# Altium PCB RockerBox_1_SiC780A_Rev02.PcbDoc (part 4 of 4) (continued)
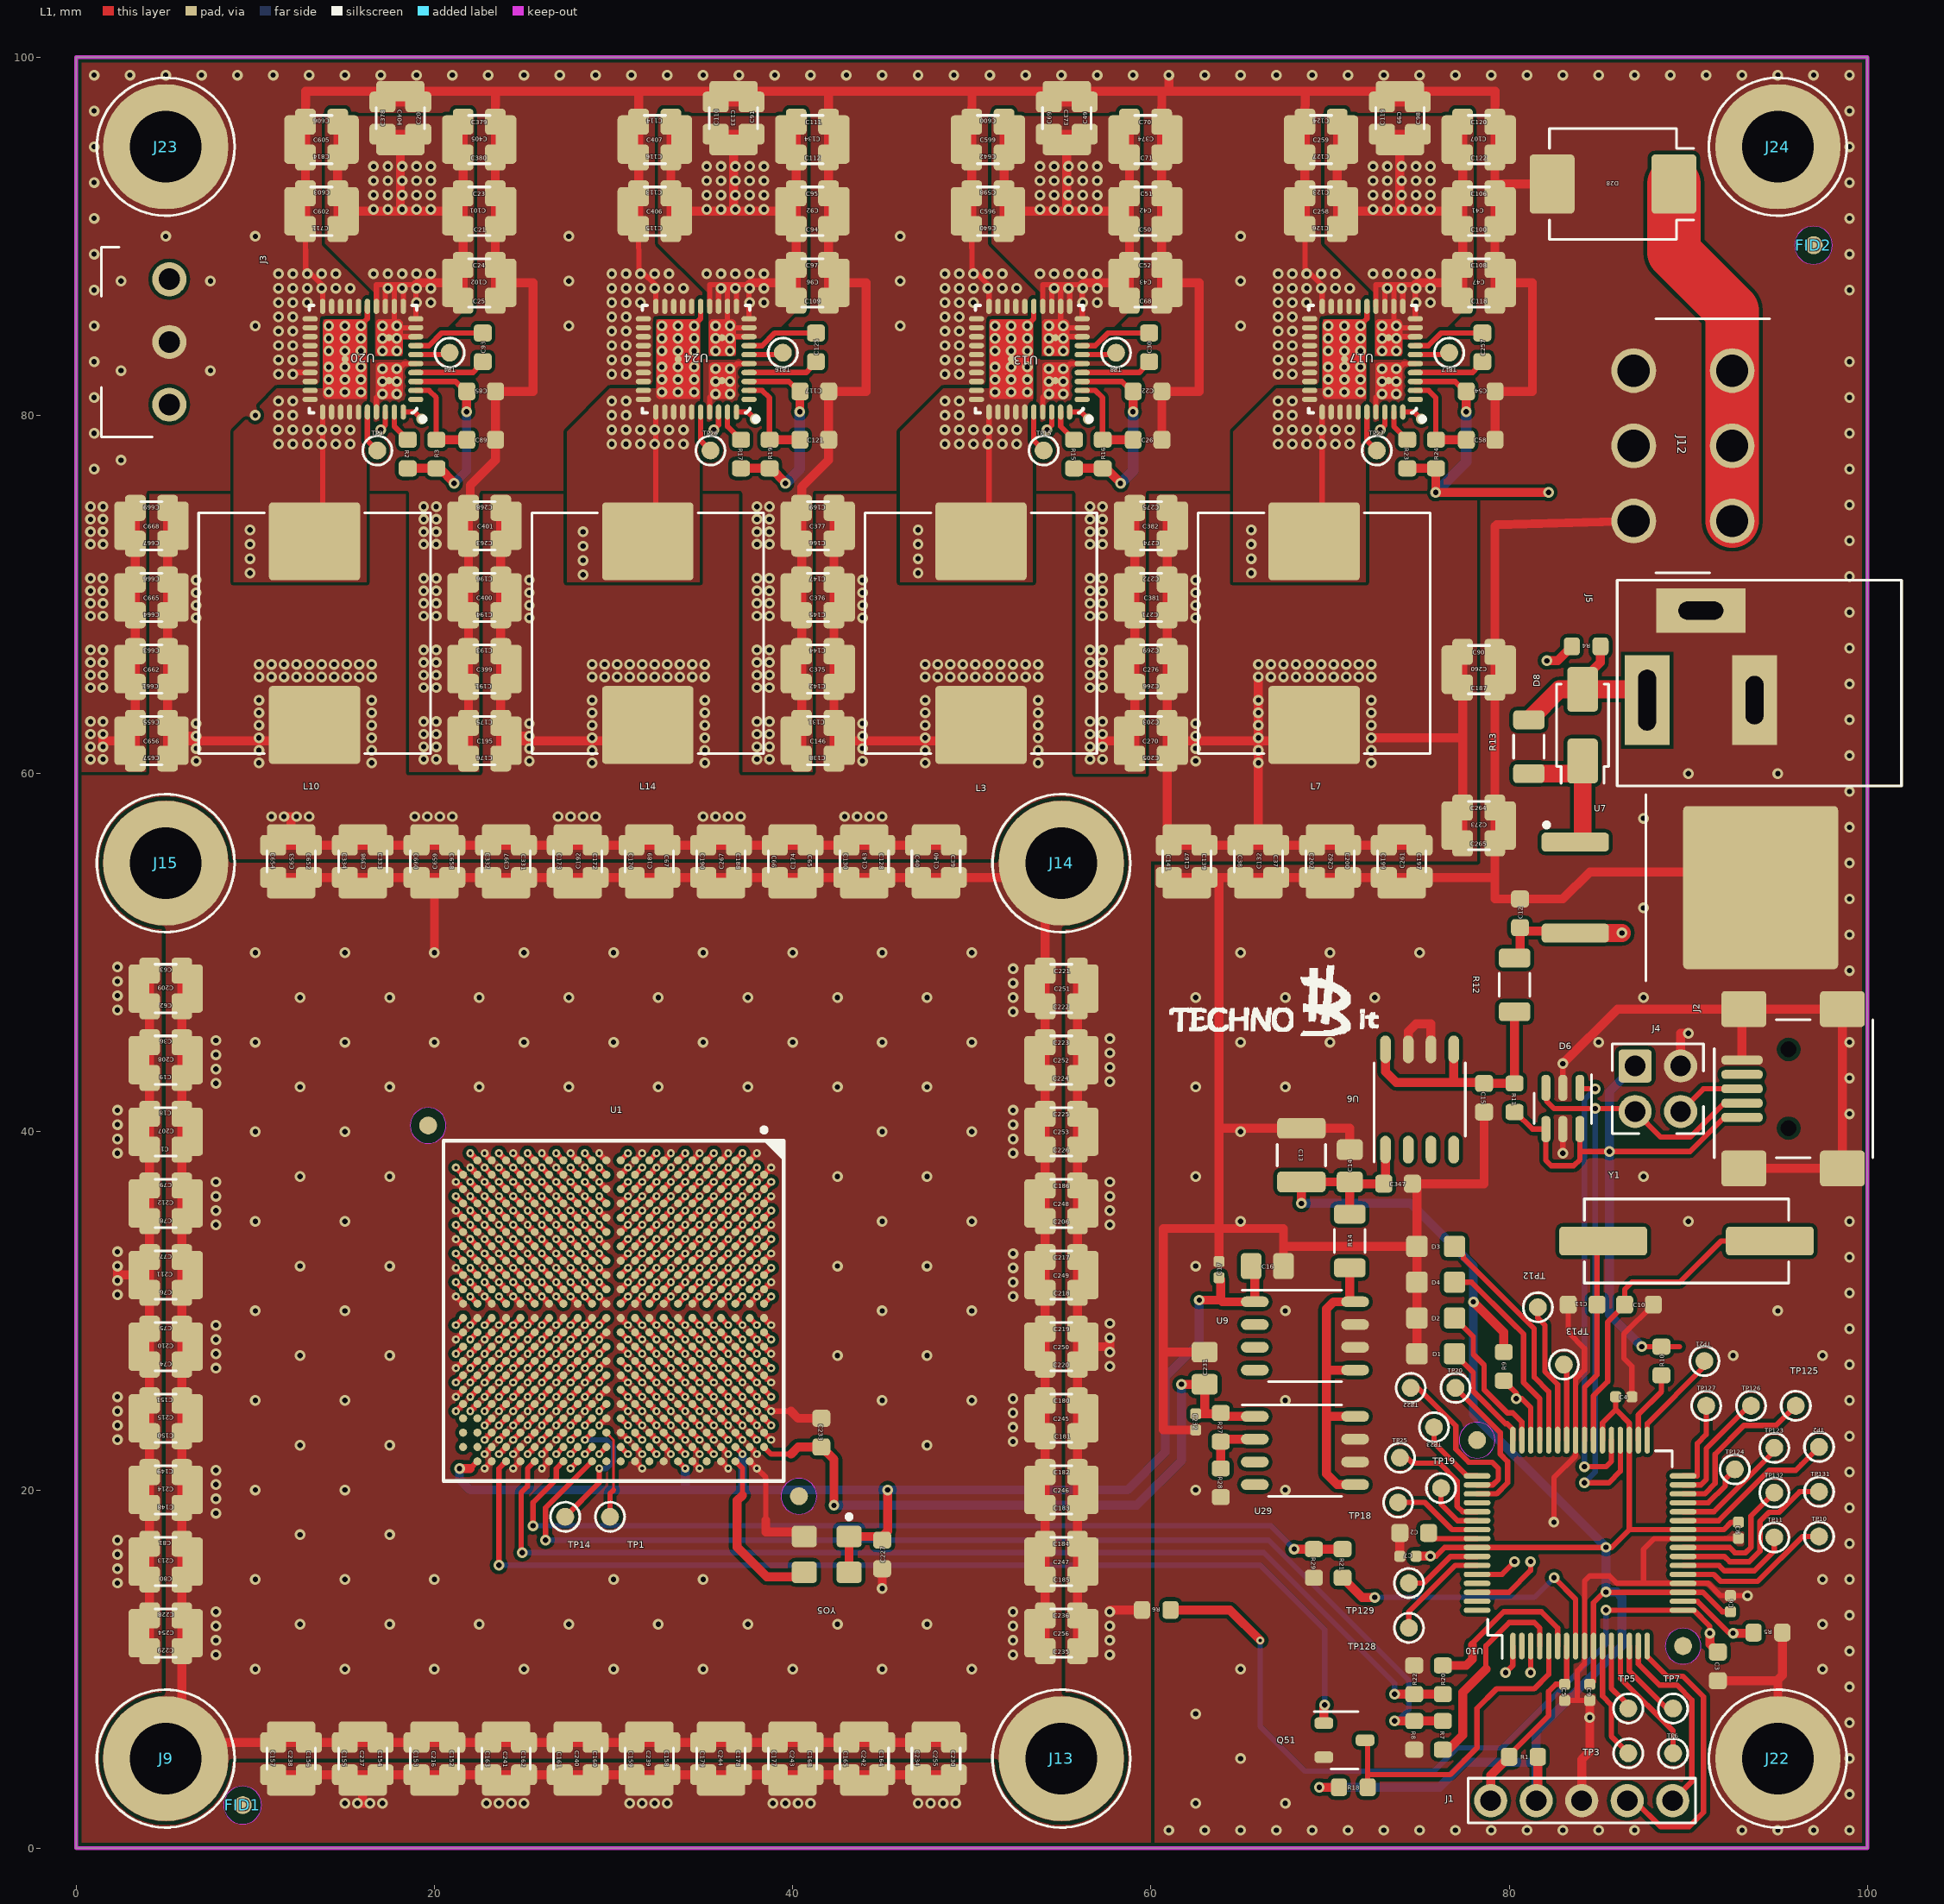
[diagram p0: L1 view]
## Nets (pads, with @x,y where several pads share a name; then routed paths per layer and width w, separated by ;. In a path a pad name is that pad's centre, name@x,y a point inside that pad or via, vN(x,y) a via of type N, cw(c..) or ccw(c..) an arc to the next point about the centre after c; other vN are vias at no path point) (continued)
  other v1: 61,1 63,1 65,1 67,1 69,1 71,1 73,1 75,1 77,1 79,1 81,1 83,1 85,1 87,1 93,1 95,1 97,1 99,1 62.5,2.5 67.5,2.5 99,3 65,5 99,5 99,7 62.5,7.5 99,9 10,10 15,10 20,10 25,10 30,10 35,10 40,10 45,10 50,10 65,10 97.5,10 7.8,10.8 52.3,10.8 99,11 7.8,11.6 52.3,11.6 7.8,12.4 52.3,12.4 12.5,12.5 17.5,12.5 22.5,12.5 27.5,12.5 32.5,12.5 37.5,12.5 42.5,12.5 47.5,12.5 97.5,12.5 99,13 7.8,13.2 52.3,13.2 10,15 15,15 20,15 30,15 35,15 97.5,15 99,15 99,17 12.5,17.5 17.5,17.5 7.8,18.7 99,19 7.8,19.5 10,20 15,20 62.5,20 67.5,20 7.8,20.3 99,21 7.8,21.1 12.5,22.5 17.5,22.5 47.5,22.5 52.3,22.7 99,23 52.3,23.5 52.3,24.3 10,25 15,25 45,25 50,25 67.5,25 99,25 52.3,25.1 7.805,26.8 99,27 12.5,27.5 17.5,27.5 42.5,27.5 47.5,27.5 92.5,27.5 97.5,27.5 7.805,27.6 7.805,28.4 99,29 7.805,29.2 10,30 15,30 45,30 50,30 67.5,30 95,30 52.305,30.8 99,31 52.305,31.6 52.305,32.4 12.5,32.5 17.5,32.5 42.5,32.5 47.5,32.5 62.5,32.5 99,33 52.305,33.2 7.805,34.8 10,35 15,35 45,35 50,35 65,35 90,35 99,35 7.805,35.6 7.805,36.4 7.805,37.2 12.5,37.5 17.5,37.5 42.5,37.5 47.5,37.5 62.5,37.5 87.5,37.5 52.305,38.8 52.305,39.6 10,40 15,40 45,40 50,40 65,40 52.305,40.4 99,41 52.305,41.2 12.5,42.5 17.5,42.5 22.5,42.5 27.5,42.5 32.5,42.5 37.5,42.5 42.5,42.5 47.5,42.5 62.5,42.5 67.5,42.5 7.805,42.7 99,43 7.805,43.5 7.805,44.3 10,45 15,45 20,45 25,45 30,45 35,45 40,45 45,45 50,45 65,45 70,45 85,45 99,45 7.805,45.1 52.305,46.7 12.5,47.5 17.5,47.5 22.5,47.5 27.5,47.5 32.5,47.5 37.5,47.5 42.5,47.5 47.5,47.5 52.305,47.5 62.5,47.5 67.5,47.5 72.5,47.5 87.5,47.5 52.305,48.3 99,49 52.305,49.1 10,50 15,50 25,50 30,50 35,50 40,50 45,50 50,50 65,50 70,50 75,50 99,51 87.5,52.5 99,53 99,55 99,57 87.5,57.5 99,59 90,60 95,60 0.8,60.8 1.5,60.8 19.4,60.8 20.1,60.8 38,60.8 38.7,60.8 56.6,60.8 57.3,60.8 99,61 0.8,61.5 19.4,61.5 20.1,61.5 38,61.5 38.7,61.5 56.6,61.5 0.8,62.2 19.4,62.2 20.1,62.2 38,62.2 38.7,62.2 56.6,62.2 0.8,62.9 1.5,62.9 19.4,62.9 20.1,62.9 38,62.9 38.7,62.9 56.6,62.9 57.3,62.9 99,63 0.8,64.8 1.5,64.8 19.4,64.8 20.1,64.8 38,64.8 38.7,64.8 56.6,64.8 57.3,64.8 99,65 0.8,65.5 1.5,65.5 19.4,65.5 20.1,65.5 38,65.5 38.7,65.5 56.6,65.5 57.3,65.5 0.8,66.2 1.5,66.2 19.4,66.2 20.1,66.2 38,66.2 38.7,66.2 56.6,66.2 57.3,66.2 0.8,66.9 1.5,66.9 19.4,66.9 20.1,66.9 38,66.9 38.7,66.9 56.6,66.9 57.3,66.9 99,67 0.8,68.8 1.5,68.8 19.4,68.8 20.1,68.8 38,68.8 38.7,68.8 56.6,68.8 57.3,68.8 99,69 0.8,69.5 1.5,69.5 19.4,69.5 20.1,69.5 38,69.5 38.7,69.5 56.6,69.5 57.3,69.5 0.8,70.2 1.5,70.2 19.4,70.2 20.1,70.2 38,70.2 38.7,70.2 56.6,70.2 57.3,70.2 0.8,70.9 1.5,70.9 19.4,70.9 20.1,70.9 38,70.9 38.7,70.9 56.6,70.9 57.3,70.9 99,71 0.8,72.8 1.5,72.8 19.4,72.8 20.1,72.8 38,72.8 38.7,72.8 56.6,72.8 57.3,72.8 99,73 0.8,73.5 1.5,73.5 19.4,73.5 20.1,73.5 38,73.5 38.7,73.5 56.6,73.5 57.3,73.5 0.8,74.2 1.5,74.2 19.4,74.2 20.1,74.2 38,74.2 38.7,74.2 56.6,74.2 57.3,74.2 0.8,74.9 1.5,74.9 19.4,74.9 20.1,74.9 38,74.9 38.7,74.9 56.6,74.9 57.3,74.9 99,75 1,77 99,77 2.5,77.5 1,79 99,79 10,80 1,81 99,81 17.1,81.2 17.9,81.2 35.7,81.2 36.5,81.2 54.3,81.2 55.1,81.2 72.9,81.2 73.7,81.2 17.1,81.9 17.9,81.9 35.7,81.9 36.5,81.9 54.3,81.9 55.1,81.9 72.9,81.9 73.7,81.9 11.3,82.3 29.9,82.3 30.7,82.3 48.5,82.3 49.3,82.3 67.1,82.3 67.9,82.3 2.5,82.5 7.5,82.5 17.1,82.6 17.9,82.6 35.7,82.6 36.5,82.6 54.3,82.6 55.1,82.6 72.9,82.6 73.7,82.6 1,83 99,83 11.3,83.1 12.1,83.1 29.9,83.1 30.7,83.1 48.5,83.1 49.3,83.1 67.1,83.1 67.9,83.1 11.3,83.9 12.1,83.9 29.9,83.9 30.7,83.9 48.5,83.9 49.3,83.9 67.1,83.9 67.9,83.9 11.3,84.7 12.1,84.7 29.9,84.7 30.7,84.7 48.5,84.7 49.3,84.7 67.1,84.7 67.9,84.7 1,85 10,85 27.5,85 46,85 65,85 11.3,85.5 12.1,85.5 29.9,85.5 30.7,85.5 48.5,85.5 49.3,85.5 67.1,85.5 67.9,85.5 11.3,86.3 12.1,86.3 12.9,86.3 29.9,86.3 30.7,86.3 31.5,86.3 48.5,86.3 49.3,86.3 50.1,86.3 67.1,86.3 67.9,86.3 68.7,86.3 1,87 99,87 11.3,87.1 12.1,87.1 12.9,87.1 13.7,87.1 14.5,87.1 15.3,87.1 29.9,87.1 30.7,87.1 31.5,87.1 32.3,87.1 33.1,87.1 33.9,87.1 48.5,87.1 49.3,87.1 50.1,87.1 50.9,87.1 51.7,87.1 52.5,87.1 67.1,87.1 67.9,87.1 68.7,87.1 69.5,87.1 70.3,87.1 71.1,87.1 2.5,87.5 7.5,87.5 27.5,87.5 46,87.5 65,87.5 11.3,87.9 12.1,87.9 12.9,87.9 13.7,87.9 14.5,87.9 29.9,87.9 30.7,87.9 31.5,87.9 32.3,87.9 33.1,87.9 48.5,87.9 49.3,87.9 50.1,87.9 50.9,87.9 51.7,87.9 67.1,87.9 67.9,87.9 68.7,87.9 69.5,87.9 70.3,87.9 1,89 99,89 5,90 10,90 27.5,90 46,90 65,90 1,91 99,91 1,93 99,93 1,95 99,95 1,97 99,97 1,99 3,99 5,99 7,99 9,99 11,99 13,99 15,99 17,99 19,99 21,99 23,99 25,99 27,99 29,99 31,99 33,99 35,99 37,99 39,99 41,99 43,99 45,99 47,99 49,99 51,99 53,99 55,99 57,99 59,99 63,99 65,99 67,99 69,99 71,99 73,99 75,99 77,99 79,99 81,99 83,99 85,99 87,99 89,99 91,99 93,99 95,99 97,99 99,99
GREEN: D2.2 U10.47 | length 8.5
  L1 w0.3: D2.2@76.95,29.6 77.167,29.383 78,28.55 78,27.566 78.6,26.966 78.6,25.6 79.9,24.3 80.2,24.3 80.707,23.793 U10.47@80.707,22.783
LDO3.3V-5.0V: R14.1 U9.5 U9.8 U29.5 U29.8 | length 17.9
  L1 w0.5: R14.1@71.1,32.4 U9.8@71.1,30.505 ; U29.5@71.4,20.295 71.395,20.3 70.405,20.3 69.805,20.9 69.805,24.105 ; U29.8@71.4,24.105 69.805,24.105 ; U9.5@71.4,26.695 69.805,26.695 ; U9.8@71.4,30.505 U9.8@71.1,30.505 ; 69.805,24.105 69.805,26.695 ; 69.805,26.695 69.805,30.105 70.205,30.505 U9.8@71.1,30.505
LDO5.0V: C15.1 R11.1 R12.2 U6.5 U6.8 | length 14.6
  L1 w0.5: U6.8@73.095,44.6 73.095,43.355 73.7,42.75 76.905,42.75 ; U6.5@76.905,44.6 76.905,42.75 ; R12.2@80.3,46.7 R11.1@80.3,42.7 C15.1@78.6,42.7 78.55,42.75 76.905,42.75
LM12V: D8.1 R13.1 U7.1 | length 7.9
  L1 w1: R13.1@81.1,60 D8.1@84.1,60 ; U7.1@83.689,56.173 84.1,56.173 D8.1@84.1,60 ; D8.1@84.1,60.7 D8.1@84.1,60
"MAIN OSC IN": C10.1 U10.39 Y1.1 | length 18.4
  L1 w0.3: U10.39@84.708,22.783 84.707,25.258 85.5,26.05 85.5,29.375 85.508,29.383 86.45,30.325 C10.1@86.45,30.35 86.45,31.2 86.85,31.6 89.525,31.6 91.825,33.9 Y1.1@94.55,33.9
"MAIN OSC OUT": C11.1 U10.40 Y1.2 | length 11.5
  L1 w0.3: U10.40@84.207,22.783 84.207,25.732 84.9,26.425 C11.1@84.9,30.35 84.9,33.55 Y1.2@85.25,33.9
MCLR: C5.1 J1.1 R1.1 U10.7 | length 10.7
  L1 w0.3: R1.1@80,5.1 80,5.2 82.2,7.4 82.2,8.75 82.6,9.15 C5.1@83.1,9.15 83.207,9.15 U10.7@83.207,11.283
  L1 w0.5: J1.1@78.97,2.65 78.97,4.07 R1.1@80,5.1
MCU5.0V: R10.1 U10.34 | length 4.2
  L1 w0.3: U10.34@87.208,22.783 87.207,24.2 88.5,25.492 R10.1@88.5,26.4
MEAS12: R4.2 R5.2 U10.18 | length 65.8
  L1 w0.3: U10.18@89.708,13.783 90.517,13.783 92.3,12 v1(92.5,12)
  L1 w0.5: v1(82.1,66.3) 82.7,66.3 R4.2@83.5,67.1 ; v1(92.5,12) 93.631,12 R5.2@93.646,12.036
  L3 w0.3: v1(82.1,66.3) 81.8,66 81.8,21.8 90.7,12.9 91.5,12.9 92.4,12 v1(92.5,12)
NetC26_1: C26.1 R16.2 U13.2 | length 5.4
  L1 w0.3: U13.2@56.161,81.39 56.9,81.39 57.3,80.99 57.3,78.651 R16.2@57.311,78.64
  L1 w0.5: R16.2@57.311,78.64 C26.1@59.011,78.64
NetC30_1: C30.1 U13.4 | length 4
  L1 w0.3: U13.4@56.161,82.39 59.361,82.39 C30.1@59.9,83
NetC30_2: C30.2 U13.7 | length 4
  L1 w0.3: U13.7@56.161,83.89 56.89,83.89 57.6,84.6 C30.2@59.9,84.6
NetC58_1: C58.1 R24.2 U17.2 | length 5.4
  L1 w0.3: U17.2@74.761,81.39 75.5,81.39 75.9,80.99 75.9,78.651 R24.2@75.911,78.64
  L1 w0.5: R24.2@75.911,78.64 C58.1@77.611,78.64
NetC89_1: C89.1 R3.2 U20.2 | length 5.4
  L1 w0.3: U20.2@18.961,81.39 19.7,81.39 20.1,80.99 20.1,78.651 R3.2@20.111,78.64
  L1 w0.5: R3.2@20.111,78.64 C89.1@21.811,78.64
NetC93_1: C93.1 U20.4 | length 4
  L1 w0.3: U20.4@18.961,82.39 22.161,82.39 C93.1@22.7,83
NetC93_2: C93.2 U20.7 | length 4
  L1 w0.3: U20.7@18.961,83.89 19.69,83.89 20.4,84.6 C93.2@22.7,84.6
NetC121_1: C121.1 R19.2 U24.2 | length 5.4
  L1 w0.3: U24.2@37.561,81.39 38.3,81.39 38.7,80.99 38.7,78.651 R19.2@38.711,78.64
  L1 w0.5: R19.2@38.711,78.64 C121.1@40.411,78.64
NetC125_1: C125.1 U24.4 | length 4
  L1 w0.3: U24.4@37.561,82.39 40.761,82.39 C125.1@41.3,83
NetC125_2: C125.2 U24.7 | length 4
  L1 w0.3: U24.7@37.561,83.89 38.29,83.89 39,84.6 C125.2@41.3,84.6
NetC257_1: C257.1 U17.4 | length 4
  L1 w0.3: U17.4@74.761,82.39 77.961,82.39 C257.1@78.5,83
NetC257_2: C257.2 U17.7 | length 4
  L1 w0.3: U17.7@74.761,83.89 75.49,83.89 76.2,84.6 C257.2@78.5,84.6
NetR2_1: R2.1 U20.39 | length 1.9
  L1 w0.3: U20.39@17.761,80.19 17.761,79.39 R2.1@18.511,78.64
NetR15_1: R15.1 U13.39 | length 1.9
  L1 w0.3: U13.39@54.961,80.19 54.961,79.39 R15.1@55.711,78.64
NetR17_1: R17.1 U24.39 | length 1.9
  L1 w0.3: U24.39@36.361,80.19 36.361,79.39 R17.1@37.111,78.64
NetR23_1: R23.1 U17.39 | length 1.9
  L1 w0.3: U17.39@73.561,80.19 73.561,79.39 R23.1@74.311,78.64
NetR27_2: R27.2 R28.1 U29.2 | length 3.5
  L1 w0.5: R28.1@63.9,21.2 R27.2@63.9,22.7 64.035,22.835 U29.2@65.8,22.835
NetTP1_1: TP1.1 U1.M20 | length 4.9
  L1 w0.13: 30,20 30,22.8
  L1 w0.15: U1.M20@29.6,23.2 30,22.8
  L1 w0.3: TP1.1@29.8,18.5 29.8,19.8 30,20
NetTP2_1: TP2.1 U10.27 | length 9.3
  L1 w0.3: U10.27@89.708,18.283 91.7,18.283 94.517,21.1 96,21.1 96.307,21.407 TP2.1@97.3,22.4
NetTP3_1: TP3.1 U10.11 | length 6.6
  L1 w0.3: U10.11@85.208,11.283 85.208,8.493 85.7,8 85.7,6.25 TP3.1@86.65,5.3
NetTP4_1: TP4.1 U20.6 | length 2
  L1 w0.3: U20.6@18.961,83.39 20.85,83.39 TP4.1@20.85,83.5
NetTP5_1: TP5.1 U10.12 | length 3.9
  L1 w0.3: U10.12@85.707,11.283 85.707,8.9 86.65,8 TP5.1@86.65,7.8
NetTP6_1: TP6.1 U10.13 | length 7.2
  L1 w0.3: U10.13@86.208,11.283 86.207,9.493 89.15,6.55 TP6.1@89.15,5.3
NetTP7_1: TP7.1 U10.14 | length 4.7
  L1 w0.3: U10.14@86.707,11.283 86.707,9.892 88.8,7.8 TP7.1@89.15,7.8
NetTP8_1: TP8.1 U13.6 | length 2
  L1 w0.3: U13.6@56.161,83.39 58.05,83.39 TP8.1@58.05,83.5
NetTP9_1: TP9.1 U20.36 | length 2.4
  L1 w0.3: U20.36@16.261,80.19 16.261,78.59 TP9.1@16.811,78.04
NetTP10_1: TP10.1 U10.21 | length 8.8
  L1 w0.3: U10.21@89.708,15.283 91.417,15.283 91.8,14.9 93.875,14.9 96.375,17.4 TP10.1@97.3,17.4
NetTP11_1: TP11.1 U10.22 | length 6.4
  L1 w0.3: U10.22@89.708,15.783 91.717,15.783 92.01,15.49 93.69,15.49 94.8,16.6 TP11.1@94.8,17.35
NetTP12_1: TP12.1 U10.43 | length 7.9
  L1 w0.3: TP12.1@81.6,30.2 81.6,29.6 82,29.2 82,26.6 82.708,25.893 U10.43@82.708,22.783
NetTP13_1: TP13.1 U10.42 | length 4.3
  L1 w0.3: TP13.1@83.05,27 83.207,26.842 U10.42@83.207,22.783
NetTP14_1: TP14.1 U1.N20 | length 7.6
  L1 w0.3: TP14.1@27.3,18.5 29.2,20.4 v2(29.2,21.2) ; v2(28.4,22.8) U1.N20@28.8,23.2
  L4 w0.3: v2(28.4,22.8) 29.6,22.8 30,22.4 30,21.6 29.6,21.2 v2(29.2,21.2)
NetTP15_1: TP15.1 U13.36 | length 2.4
  L1 w0.3: U13.36@53.461,80.19 53.461,78.59 TP15.1@54.011,78.04
NetTP16_1: TP16.1 U24.6 | length 2
  L1 w0.3: U24.6@37.561,83.39 39.45,83.39 TP16.1@39.45,83.5
NetTP17_1: TP17.1 U17.6 | length 2
  L1 w0.3: U17.6@74.761,83.39 76.65,83.39 TP17.1@76.65,83.5
NetTP18_1: TP18.1 U10.55 | length 5
  L1 w0.3: TP18.1@73.8,19.3 75.3,19.3 76.817,17.783 U10.55@78.207,17.783
NetTP19_1: TP19.1 U10.54 | length 3.3
  L1 w0.3: TP19.1@76.2,20.1 76.194,20.094 76.194,19.206 77.117,18.283 U10.54@78.207,18.283
NetTP20_1: TP20.1 U10.51 | length 8.5
  L1 w0.3: TP20.1@77,25.7 79.5,23.2 79.501,22.001 79.917,21.587 79.917,20.4 79.3,19.783 U10.51@78.207,19.783
NetTP21_1: TP21.1 U10.33 | length 5.7
  L1 w0.3: U10.33@87.708,22.783 87.708,23.707 90.9,26.9 TP21.1@90.9,27.2
NetTP22_1: TP22.1 U10.50 | length 9.4
  L1 w0.3: TP22.1@74.5,25.7 74.9,25.7 77.025,23.575 77.025,22.275 77.75,21.55 79.05,21.55 79.4,21.2 79.4,20.6 79.083,20.283 U10.50@78.207,20.283
NetTP23_1: TP23.1 U10.49 | length 4
  L1 w0.3: TP23.1@75.8,23.5 75.8,22.633 77.65,20.783 U10.49@78.207,20.783
NetTP25_1: TP25.1 U10.53 | length 6.4
  L1 w0.3: TP25.1@73.9,21.8 74.3,21.8 74.6,21.5 76.1,21.5 77.1,20.5 77.1,19.083 77.4,18.783 U10.53@78.207,18.783
NetTP26_1: TP26.1 U24.36 | length 2.4
  L1 w0.3: U24.36@34.861,80.19 34.861,78.59 TP26.1@35.411,78.04
NetTP27_1: TP27.1 U17.36 | length 2.4
  L1 w0.3: U17.36@72.061,80.19 72.061,78.59 TP27.1@72.611,78.04
NetTP123_1: TP123.1 U10.28 | length 6.8
  L1 w0.3: U10.28@89.708,18.783 91.435,18.783 94.901,22.249 TP123.1@94.8,22.35
NetTP124_1: TP124.1 U10.29 | length 3.9
  L1 w0.3: U10.29@89.708,19.283 91.122,19.283 92.069,20.231 92.069,20.619 TP124.1@92.6,21.15
NetTP125_1: TP125.1 U10.30 | length 9.3
  L1 w0.3: U10.30@89.708,19.783 90.915,19.783 91.5,20.368 91.5,22 93.1,23.6 94.9,23.6 TP125.1@96,24.7
NetTP126_1: TP126.1 U10.31 | length 6.7
  L1 w0.3: U10.31@89.708,20.283 90.707,20.283 91,20.576 91,22.3 93.45,24.75 TP126.1@93.5,24.7
NetTP127_1: TP127.1 U10.32 | length 4.9
  L1 w0.3: U10.32@89.708,20.783 90.5,20.783 90.5,22.592 91,23.092 TP127.1@91,24.7
NetTP128_1: TP128.1 U10.59 | length 5.8
  L1 w0.3: TP128.1@74.4,12.3 74.4,13.2 76.983,15.783 U10.59@78.207,15.783
NetTP129_1: TP129.1 U10.58 | length 4.4
  L1 w0.3: TP129.1@74.4,14.8 75.24,14.8 76.723,16.283 U10.58@78.207,16.283
NetTP131_1: TP131.1 U10.23 | length 10.3
  L1 w0.3: U10.23@89.708,16.283 92.017,16.283 92.31,15.99 93.403,15.99 94,16.586 94,18.25 94.5,18.75 95.069,18.75 96.219,19.9 TP131.1@97.3,19.9
NetTP132_1: TP132.1 U10.24 | length 7.6
  L1 w0.3: U10.24@89.708,16.783 92.317,16.783 92.61,16.49 93.196,16.49 93.5,16.794 93.5,18.55 TP132.1@94.8,19.85
ORANGE: D4.2 U10.45 | length 11.3
  L1 w0.3: D4.2@76.95,31.6 77.9,31.6 80.117,29.383 80.8,28.7 80.8,26 81.707,25.092 U10.45@81.707,22.783
PGC: J1.5 U10.15 | length 10.9
  L1 w0.3: U10.15@87.208,11.283 87.207,10.283 88.391,9.1 89.37,9.1 90.2,8.27 90.2,3.72 J1.5@89.13,2.65
PGD: J1.4 U10.16 | length 16.3
  L1 w0.3: J1.4@86.59,2.65 86.64,2.6 87.05,2.6 88.45,1.2 90.05,1.2 90.85,2 90.85,8.45 89.7,9.6 88.791,9.6 87.708,10.683 U10.16@87.708,11.283
PLL_OSC_CLK_11: U1.C22 YO5.3 | length 9.7
  L1 w0.3: U1.C22@36.8,21.6 37.2,21.2 37.2,19.705
  L1 w0.5: 37.2,19.705 36.9,19.405 36.9,16.8 38.55,15.15 40.45,15.15 40.45,15.2 YO5.3@40.65,15.4
PWM1L: U10.60 U13.40 | length 90
  L1 w0.3: U13.40@55.461,80.19 56.11,80.19 v1(56.5,79.8) ; U10.60@78.207,15.283 79.6,15.283 79.6,15.3 v1(80.3,16)
  L3 w0.3: v1(56.5,79.8) 58.2,78.1 65.3,78.1 65.7,77.7 79,77.7 80,76.7 80,27.1 79,26.1 79,17.3 v1(80.3,16)
PWM2L: U10.62 U17.40 | length 73.9
  L1 w0.3: U17.40@74.061,80.19 74.71,80.19 v1(75.1,79.8) ; U10.62@78.207,14.283 79.983,14.283 81.2,15.5 v1(81.2,16)
  L3 w0.3: v1(75.1,79.8) 76.6,78.3 79.3,78.3 80.6,77 80.6,26.8 79.6,25.8 79.6,18 81.2,16.4 v1(81.2,16)
PWM3H: U10.1 U20.40 | length 131.5
  L1 w0.3: U20.40@18.261,80.19 18.91,80.19 v1(19.3,79.8) ; v1(79.8,9.8) 80.2,10.2 80.208,10.2 U10.1@80.208,11.283
  L3 w0.3: v1(19.3,79.8) 20.1,79.8 23,76.9 64.6,76.9 65,76.5 78.4,76.5 78.8,76.1 78.8,27.7 77.7,26.6 77.7,11.9 v1(79.8,9.8)
PWM4H: U10.3 U24.40 | length 113.9
  L1 w0.3: U24.40@36.861,80.19 37.51,80.19 v1(37.9,79.8) ; v1(81.2,9.8) 81.207,9.8 U10.3@81.208,11.283
  L3 w0.3: v1(37.9,79.8) 40.2,77.5 65,77.5 65.4,77.1 78.7,77.1 79.4,76.4 79.4,27.4 78.4,26.4 78.4,12.4 81,9.8 v1(81.2,9.8)
RED: D1.2 U10.48 | length 6.2
  L1 w0.3: D1.2@76.95,27.6 78,26.55 78,25.493 79.793,23.7 79.891,23.7 80.208,23.383 U10.48@80.208,22.783
RESET_COLD_L: R21.1 R29.1 U1.R22 | length 50
  L1 w0.3: v1(25.505,18) 25.505,19.3 26.8,20.595 26.8,21.2 U1.R22@27.2,21.6
  L1 w0.5: v1(68,16.7) R29.1@69.1,16.7 R21.1@70.7,16.7
  L4 w0.3: v1(25.505,18) 66.703,18 67.931,16.772 v1(68,16.7)
RESET_PIC: R21.2 U10.8 | length 17
  L1 w0.3: v1(82.505,15.1) 83.707,13.898 U10.8@83.708,11.283
  L1 w0.5: R21.2@70.7,15.1 71.8,14 v1(72.5,14)
  L4 w0.3: v1(72.5,14) 81.405,14 v1(82.505,15.1)
SER_CLK: R7.1 R8.1 U1.N22 | length 62.3
  L1 w0.3: v1(26.205,17.2) 26.205,19.005 U1.N22@28.8,21.6
  L1 w0.5: v1(73.6,7.1) R7.1@76.3,7.1
  L4 w0.3: v1(26.205,17.2) 66.56,17.2 74.4,9.36 74.4,7.749 73.8,7.149 73.649,7.149 v1(73.6,7.1)
SER_CLK_PIC: R7.2 U10.4 | length 11.7
  L1 w0.3: 78.7,10 78.7,11.3 80,12.6 81.405,12.6 81.705,12.3 U10.4@81.707,11.283
  L1 w0.5: R7.2@76.3,5.5 76.6,5.5 77.4,6.3 77.4,8.7 78.7,10
SWN7: L10.1 U20.15 U20.29 U20.30 U20.31 U20.32 U20.33 U20.34 U20.35 U20.43 | length 11.2
  L1 w0.3: L10.1@13.311,72.965 13.761,72.965 U20.31@13.761,80.19 ; U20.43@15.011,83.14 15,83.151 v1(15,83.6) 15,84.139 15.081,84.219 15.881,85.019 16.261,85.4 U20.15@16.261,86.09
  other v1: 9.7,71.2 9.7,72 9.7,72.8 9.7,73.6 11.3,78.4 12.1,78.4 12.9,78.4 13.7,78.4 14.5,78.4 15.3,78.4 11.3,79.2 12.1,79.2 12.9,79.2 13.7,79.2 14.5,79.2 15.3,79.2 11.3,80 12.1,80 11.3,80.8 12.1,80.8 14.1,81.3 15,81.3 15.9,81.3 14.1,82 15,82 15.9,82 14.1,82.7 15,82.7 15.9,82.7 14.1,83.6 15.9,83.6 14.1,84.3 15,84.3 15.9,84.3 14.1,85 15,85 15.9,85
SWN8: L14.1 U24.15 U24.29 U24.30 U24.31 U24.32 U24.33 U24.34 U24.35 U24.43 | length 11.2
  L1 w0.3: L14.1@31.911,72.965 32.361,72.965 U24.31@32.361,80.19 ; U24.43@33.611,83.14 33.6,83.151 v1(33.6,83.6) 33.6,84.139 34.861,85.4 U24.15@34.861,86.09
  other v1: 28.3,71.1 28.3,71.9 28.3,72.7 28.3,73.5 29.9,78.4 30.7,78.4 31.5,78.4 32.3,78.4 33.1,78.4 33.9,78.4 29.9,79.2 30.7,79.2 31.5,79.2 32.3,79.2 33.1,79.2 33.9,79.2 29.9,80 30.7,80 29.9,80.8 30.7,80.8 32.7,81.3 33.6,81.3 34.5,81.3 32.7,82 33.6,82 34.5,82 32.7,82.7 33.6,82.7 34.5,82.7 32.7,83.6 34.5,83.6 32.7,84.3 33.6,84.3 34.5,84.3 32.7,85 33.6,85 34.5,85
SWN9: L3.1 U13.15 U13.29 U13.30 U13.31 U13.32 U13.33 U13.34 U13.35 U13.43 | length 11.2
  L1 w0.3: L3.1@50.511,72.965 50.961,72.965 U13.31@50.961,80.19 ; U13.43@52.211,83.14 52.2,83.151 v1(52.2,83.6) 52.2,84.139 53.461,85.4 U13.15@53.461,86.09
  other v1: 47,71.2 47,72 47,72.8 47,73.6 48.5,78.4 49.3,78.4 50.1,78.4 50.9,78.4 51.7,78.4 52.5,78.4 48.5,79.2 49.3,79.2 50.1,79.2 50.9,79.2 51.7,79.2 52.5,79.2 48.5,80 49.3,80 48.5,80.8 49.3,80.8 51.3,81.3 52.2,81.3 53.1,81.3 51.3,82 52.2,82 53.1,82 51.3,82.7 52.2,82.7 53.1,82.7 51.3,83.6 53.1,83.6 51.3,84.3 52.2,84.3 53.1,84.3 51.3,85 52.2,85 53.1,85
SWN10: L7.1 U17.15 U17.29 U17.30 U17.31 U17.32 U17.33 U17.34 U17.35 U17.43 | length 11.2
  L1 w0.3: L7.1@69.111,72.965 69.561,72.965 U17.31@69.561,80.19 ; U17.43@70.811,83.14 70.8,83.151 v1(70.8,83.6) 70.8,84.139 70.881,84.219 71.681,85.019 72.061,85.4 U17.15@72.061,86.09
  other v1: 65.6,71.2 65.6,72 65.6,72.8 65.6,73.6 67.1,78.4 67.9,78.4 68.7,78.4 69.5,78.4 70.3,78.4 71.1,78.4 67.1,79.2 67.9,79.2 68.7,79.2 69.5,79.2 70.3,79.2 71.1,79.2 67.1,80 67.9,80 67.1,80.8 67.9,80.8 69.9,81.3 70.8,81.3 71.7,81.3 69.9,82 70.8,82 71.7,82 69.9,82.7 70.8,82.7 71.7,82.7 69.9,83.6 71.7,83.6 69.9,84.3 70.8,84.3 71.7,84.3 69.9,85 70.8,85 71.7,85
THDN: R9.1 U10.46 U13.38 U17.38 U20.38 U24.38 | length 132.9
  L1 w0.3: v1(17,79.2) 17.261,79.461 U20.38@17.261,80.19 ; v1(35.6,79.2) 35.861,79.461 U24.38@35.861,80.19 ; v1(54.2,79.2) 54.461,79.461 U13.38@54.461,80.19 ; v1(72.8,79.2) 73.061,79.461 U17.38@73.061,80.19 ; R9.1@79.7,26.1 79.875,25.925 79.878,25.925 80.401,25.402 80.401,25.101 v1(80.4,25.1) ; v1(80.4,25.1) 80.705,25.1 80.802,25.003 81.207,24.6 U10.46@81.208,22.783
  L3 w0.3: v1(17,79.2) 19.3,81.5 31.2,81.5 32.6,80.1 34.7,80.1 v1(35.6,79.2) 37.9,81.5 49.8,81.5 51.2,80.1 53.3,80.1 v1(54.2,79.2) 56.5,81.5 68.4,81.5 69.8,80.1 71.9,80.1 v1(72.8,79.2) 74.2,80.6 75.5,80.6 77.2,78.9 79.6,78.9 81.2,77.3 81.2,26.5 80.4,25.7 v1(80.4,25.1)
TXD_0: R20.2 U10.6 | length 9.6
  L1 w0.3: 77.95,11.35 77.95,11.45 79.7,13.2 81.8,13.2 82.708,12.293 U10.6@82.708,11.283
  L1 w0.5: R20.2@76.3,10.2 77.6,10.2 77.95,10.55 77.95,11.35
TXD_1: R20.1 R22.1 U1.U22 | length 60.5
  L1 w0.3: v1(24.905,16.5) 24.84,16.565 24.84,19.84 25.2,20.2 25.2,21.2 U1.U22@25.6,21.6
  L1 w0.5: v1(73.6,8.6) R20.1@76.3,8.6
  L4 w0.3: v1(24.905,16.5) 66.3,16.5 73.6,9.2 v1(73.6,8.6)
TXD_2: Q51.1 U1.W22 | length 58.8
  L1 w0.3: v1(23.6,15.8) 23.6,21.2 U1.W22@24,21.6
  L1 w0.5: Q51.1@69.656,6.978 69.656,7.956 v1(69.7,8)
  L4 w0.3: v1(23.6,15.8) 66.1,15.8 69.7,12.2 v1(69.7,8)
TXD_10: Q51.3 R18.2 U10.5 | length 18.1
  L1 w0.3: Q51.3@71.956,6.028 72.1,6.028 72.1,4.1 ; R18.2@72.1,3.4 72.1,4.1 ; U10.5@82.208,11.283 82.207,9.707 81.4,8.9 79.3,8.9 78.2,7.8 78.2,5.6 76.7,4.1 72.1,4.1
USB5.0V: D6.4 D6.6 J2.1 J4.1 R10.2 R11.2 | length 36.7
  L1 w0.3: R11.2@80.3,41.1 80.35,41.1 81.3,40.15 D6.4@82.05,40.15 82.05,38.4 82.35,38.1 83.6,38.1 83.95,38.45 83.95,38.9 ; D6.6@83.95,40.15 83.95,38.9 ; v1(87.4,28) R10.2@88.5,28 89.5,28 ; J2.1@93,40.8 92,40.8 90.1,38.9 v1(85.6,38.9) 83.95,38.9
  L4 w0.5: J4.1@87.03,43.67 85.6,42.24 v1(85.6,38.9) 85.6,29.8 v1(87.4,28)
VCAP: C2.1 U10.56 | length 2.9
  L1 w0.3: C2.1@75.5,17.6 75.5,17.575 75.792,17.283 U10.56@78.207,17.283
YELLOW: D3.2 U10.44 | length 13
  L1 w0.3: D3.2@76.95,33.6 77.45,33.1 77.45,32.95 81.4,29 81.4,26.3 82.207,25.492 U10.44@82.208,22.783
pads on no net: FID1.1 FID2.1 J2.4 J2.10 J2.11 U1.AA19 U1.AA20 U1.AA21 U1.AB19 U1.AB20 U1.AB21 U1.E22 U1.FID1 U1.FID2 U1.J22 U1.L22 U1.M22 U6.2 U6.3 U6.4 U9.2 U9.3 U9.4 U10.2 U10.52 U10.61 U10.63 U10.64 U10.65 U10.66 U13.1 U17.1 U20.1 U24.1 U29.3 U29.4

## Polygon pours and split planes (outlines as drawn)
SWN8 on L4 "L4-$1I88\SWN8" (solid, remove dead copper, pour order 48): 34.8,85.35 34.8,70.7 27.4,70.7 27.4,79.1 29.8,81.5 32.4,81.5 32.4,85.35
SWN7 on L4 "L4-$1I88\SWN7" (solid, remove dead copper, pour order 47): 16.2,85.35 16.2,70.7 8.8,70.7 8.8,79.1 11.2,81.5 13.8,81.5 13.8,85.35
12V on L4 "L4-12V" (solid, remove dead copper, pour order 49): 15.8,100 100,100 100,71 89.3,71 89.3,83.5 82,90.8 15.8,90.8
SWN9 on L4 "L4-$1I88\SWN9" (solid, remove dead copper, pour order 46): 53.4,85.35 53.4,70.7 46,70.7 46,79.1 48.4,81.5 51,81.5 51,85.35
SWN10 on L4 "L4-$1I88\SWN10" (solid, remove dead copper, pour order 45): 72,85.35 72,70.7 64.6,70.7 64.6,79.1 67,81.5 69.6,81.5 69.6,85.35
GND on L4 "L4-GND" (solid, remove dead copper, pour order 50): 0,100 100,100 100,0 0,0
1V on L3 "L3-1V" (solid, remove dead copper, pour order 44): 0,0 78.2,0 78.2,75.6 0,75.6
12V on L3 "L3-12V" (solid, remove dead copper, pour order 43): 0,100 100,100 99.863,61.4 83.3,61.4 83.3,76 77.1,82.2 0,82.2
GND on L3 "L3-GND" (solid, remove dead copper, pour order 42): 78.5,61.1 100,61.1 100,0 78.5,0
GND on L1 "L1-GND 5" (solid, remove dead copper, pour order 28): 3.9,60.1 0,60.1 0,77.5 3.9,77.5
GND on L1 "L1-GND 4" (solid, remove dead copper, pour order 27): 59.7,60 55.8,60 55.8,77.4 59.7,77.4
1V on L1 "L1-1V" (solid, remove dead copper, pour order 39): 60,0 0,0 0,75.6 78.2,75.6 78.2,55.1 60,55.1
12V on L1 "L1-12V 3" (solid, remove dead copper, pour order 35): 13.9,96.7 22.2,96.7 22.2,86.4 20.1,84.3 18.2,84.3 18.2,83.3 16.7,83.3 16.7,86.8 13.9,89.6
12V on L1 "L1-12V 2" (solid, remove dead copper, pour order 36): 32.5,96.7 40.8,96.7 40.8,86.4 38.7,84.3 36.8,84.3 36.8,83.3 35.3,83.3 35.3,86.8 32.5,89.6
SWN9 on L1 "L1-$1I88\SWN9" (solid, remove dead copper, pour order 31): 53.4,85.35 53.4,70.7 46,70.7 46,79.1 48.4,81.5 51,81.5 51,85.35
SWN10 on L1 "L1-$1I88\SWN10" (solid, remove dead copper, pour order 30): 72,85.35 72,70.7 64.6,70.7 64.6,79.1 67,81.5 69.6,81.5 69.6,85.35
SWN7 on L1 "L1-$1I88\SWN7" (solid, remove dead copper, pour order 32): 16.2,85.35 16.2,70.7 8.8,70.7 8.8,79.1 11.2,81.5 13.8,81.5 13.8,85.35
GND on L1 "L1-GND 3" (solid, remove dead copper, pour order 29): 22.5,60.1 18.6,60.1 18.6,77.5 22.5,77.5
GND on L1 "L1-GND 2" (solid, remove dead copper, pour order 26): 41.1,60.1 37.2,60.1 37.2,77.5 41.1,77.5
SWN8 on L1 "L1-$1I88\SWN8" (solid, remove dead copper, pour order 33): 34.8,85.35 34.8,70.7 27.4,70.7 27.4,79.1 29.8,81.5 32.4,81.5 32.4,85.35
12V on L1 "L1-12V 1" (solid, remove dead copper, pour order 37): 51.1,96.7 59.4,96.7 59.4,86.4 57.3,84.3 55.4,84.3 55.4,83.3 53.9,83.3 53.9,86.8 51.1,89.6
12V on L1 "L1-12V" (solid, remove dead copper, pour order 34): 69.7,96.7 78,96.7 78,86.4 75.9,84.3 74,84.3 74,83.3 72.5,83.3 72.5,86.8 69.7,89.6
GND on L1 "L1-GND 1" (solid, remove dead copper, pour order 40): 0.1,100 100,100 100,0 0.1,0
GND on L1 "L1-GND" (solid, remove dead copper, pour order 38): 55,5 5,5 5,55 55,55
GND on L2 "L2-GND" (solid, remove dead copper, pour order 41): 0,0 100,0 100,100 0,100

## Keep-outs
Keep-Out Layer:
  the board outline again, w0.2

## Other copper
Multi-Layer:
  lines w0.05: -20.9,-131.25 -20.9,-131.4 -20.75,-131.4
  lines w0.1: -15.9,-118.9 -10.9,-118.9 174.1,-118.9 ; -15.9,-73.9 -10.9,-73.9 -10.9,-126.4 ; -15.9,-32.862 -10.9,-32.862 ; -15.9,17.138 -10.9,17.138 ; -15.9,67.138 -10.9,67.138 ; -15.9,117.176 -10.9,117.176 ; -10.9,160.6 -10.9,-126.4 ; -10.65,-126.4 174.1,-126.4 ; 174.1,-73.9 174.1,-126.4 ; -10.9,-126.4 174.1,-126.4 ; -10.9,-126.4 174.1,-126.4 ; -10.9,-126.4 -15.9,-126.4 -15.9,160.6 174.1,160.6 174.1,-126.4 ; -10.9,-126.4 174.1,-126.4
  text "Printed copies of this document are uncontrolled and may NOT be current. All information is strictly CONFIDENTIAL." at -10.25,-121.45 h1.05
  text "IMI Group reserves all rights even in the event of industrial property rights." at 97.85,-121.45 h1.05
  text "We reserve all rights of disposal such as copying and passing on to third parties." at -10.3,-124.9 h1.05

## Silkscreen, mask and mechanical layers (free items; w line width, h text height)
26_Silkscreen Top:
  drawing of 1698 lines, arcs and shapes, not listed
Mechanical 17:
  the board outline again, w0.2

## Text inside footprints (layer, text, board x,y; h text height)
J1: Top Assy "5" at 89.833,1.7 h0.5; Top Assy "1" at 77.99,1.7 h0.5
J2: Top Assy "5" at 95,43.883 h0.5 r90; Top Assy "1" at 95,40.74 h0.5 r90
J3: Top Assy "1" at 5.5,79.19 h0.5 r90; Top Assy "3" at 5.5,88.733 h0.5 r90
J4: Top Assy "2" at 90.23,44.727 h0.4 r270; Top Assy "1" at 86.01,42.635 h0.4 r270
J12: Top Assy "6" at 87.15,72.705 h0.5 r270; Top Assy "3" at 92.1,72.717 h0.5 r270; Top Assy "4" at 87.15,84.329 h0.5 r270; Top Assy "1" at 92.1,84.21 h0.5 r270